# Altium PCB SolderingStation - Using Mux for PUP.PcbDoc (part 1 of 2)
Units mm, origin at the board's own origin, x right, y up, seen from the top; angles counter-clockwise.
Board outline 138.15 x 60.81 mm, 2 copper layers (Top Layer, Bottom Layer), stack 1.671 mm thick; 201 components, 119 nets, 586 pads, 492 vias.
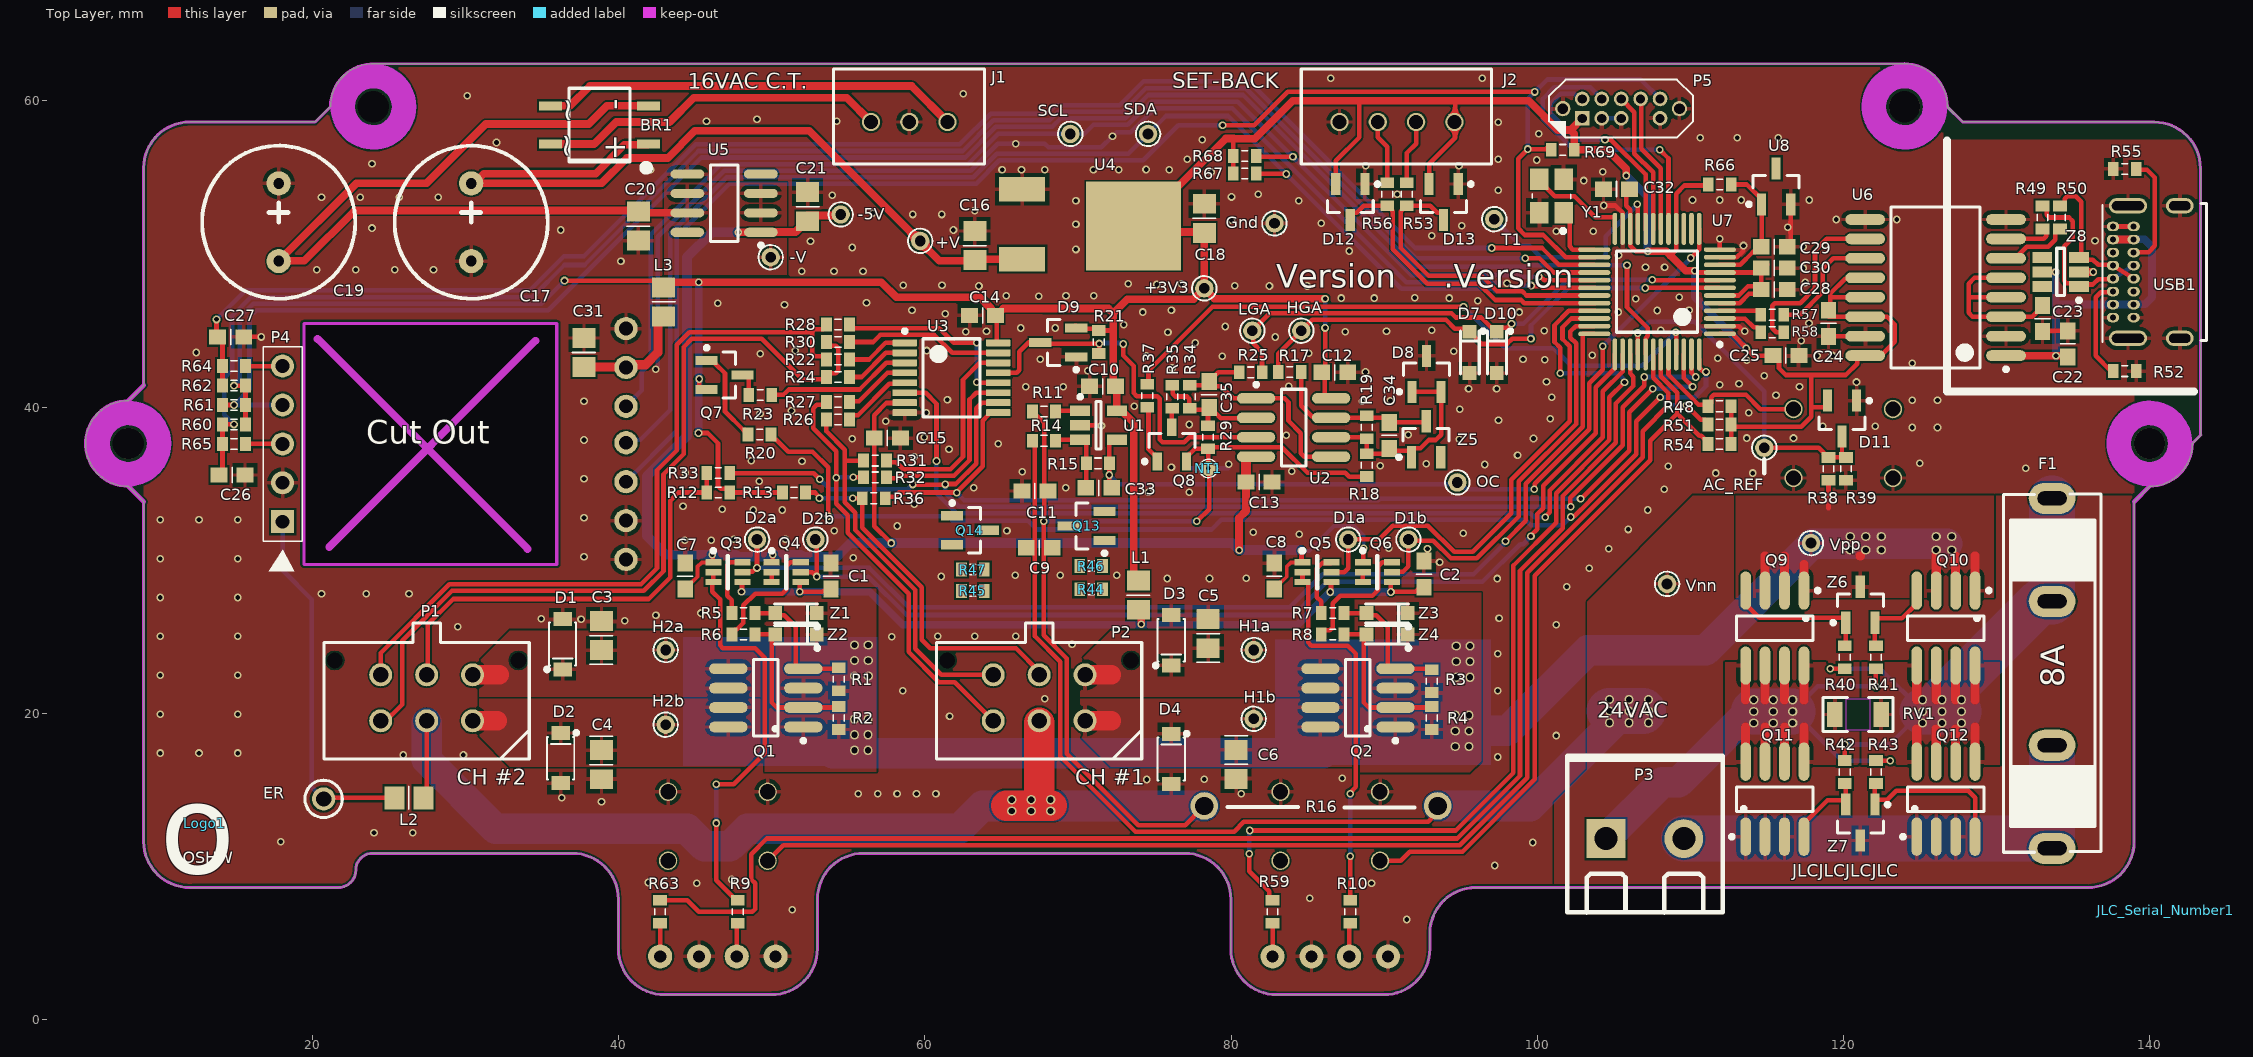
[diagram p0: Top Layer view]
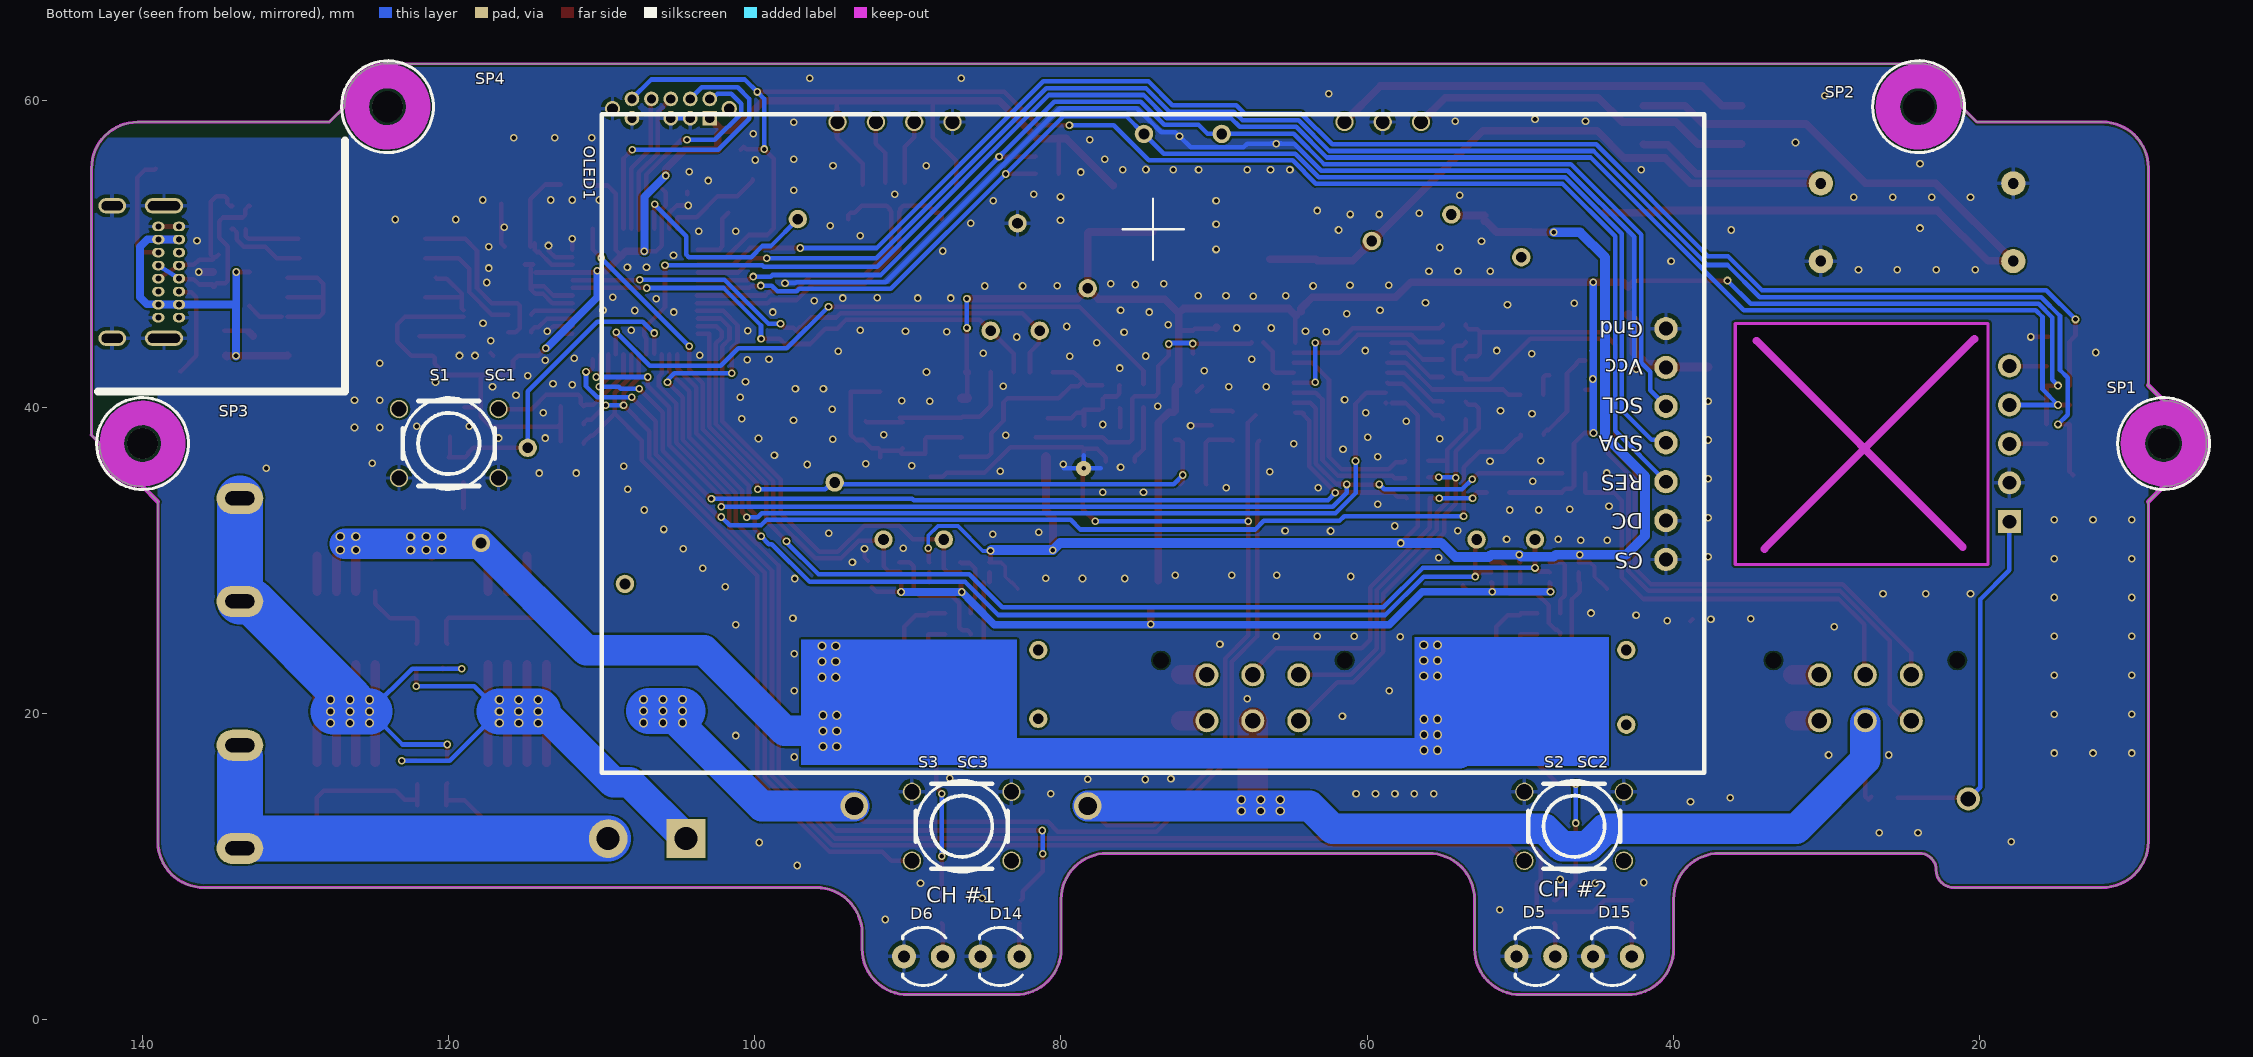
[diagram p1: Bottom Layer view, seen from below]
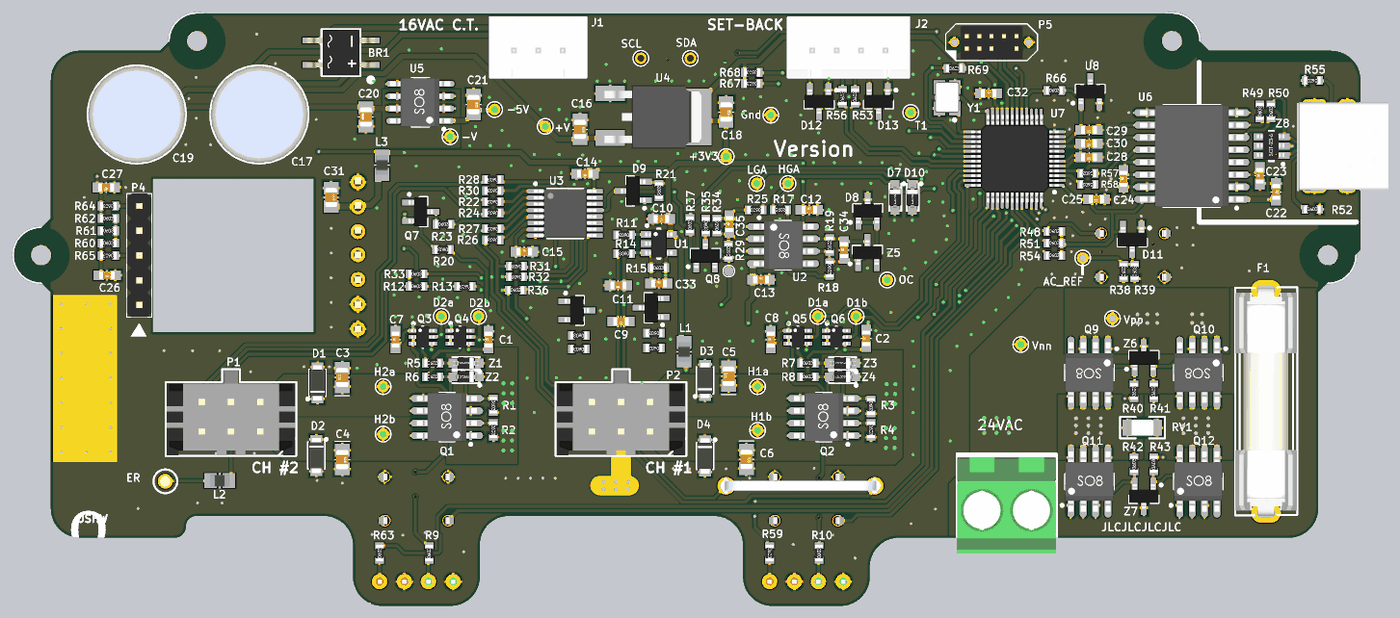
[diagram p3: 3D render of the assembled board from above, using the file's embedded part models]
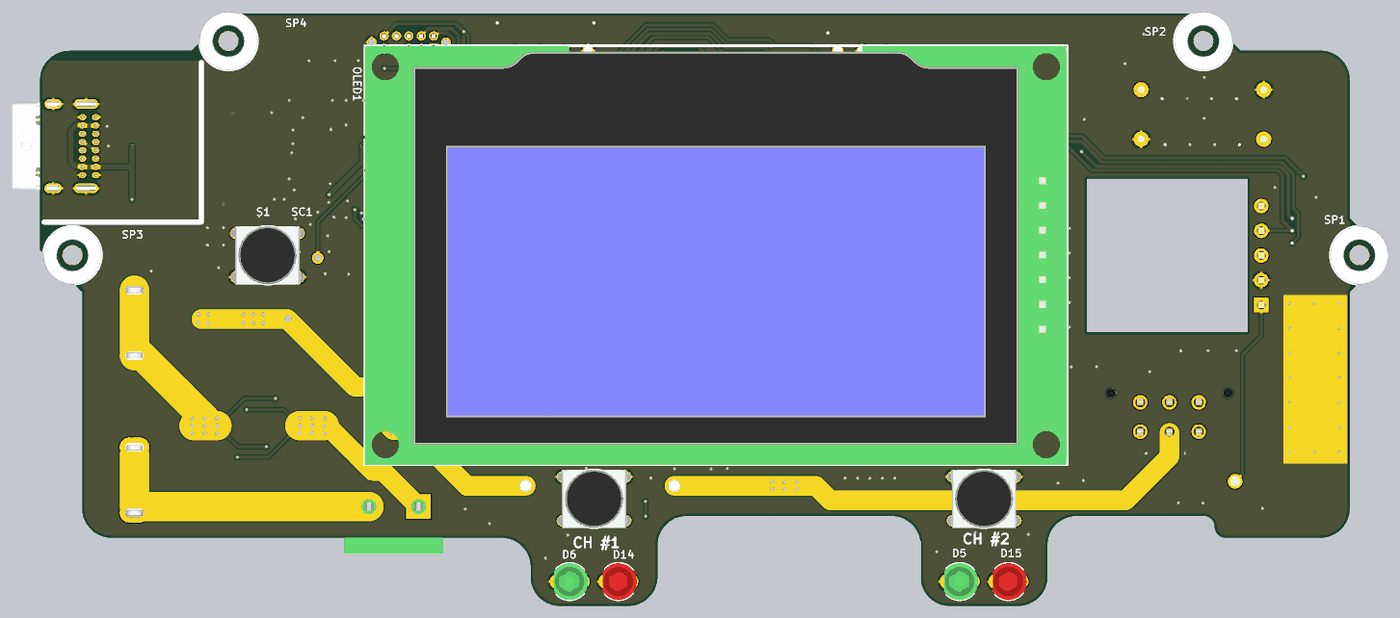
[diagram p4: 3D render of the assembled board from below, using the file's embedded part models]

## Layer stack, top to bottom
Top Solder: solder mask 0.0102, Solder Resist, Dk 3.5
Top Layer: signal copper 0.0356
Dielectric 1: dielectric 1.6, FR-4, Dk 4.8
Bottom Layer: signal copper 0.0356
Bottom Solder: solder mask 0.0102, Solder Resist, Dk 3.5

## Board outline
11.976,8.617 21.69,8.617 ccw(c21.69,9.755) 22.827,9.755 cw(c23.927,9.755) 23.927,10.855 23.927,10.852 36.976,10.852 cw(c36.976,7.852) 39.976,7.852 39.976,4.617 ccw(c42.976,4.617) 42.976,1.617 49.976,1.617 ccw(c49.976,4.617) 52.976,4.617 52.976,7.852 cw(c55.976,7.852) 55.976,10.852 76.976,10.852 cw(c76.976,7.852) 79.976,7.852 79.976,4.617 ccw(c82.976,4.617) 82.976,1.617 89.976,1.617 ccw(c89.976,4.617) 92.976,4.617 92.976,5.617 cw(c95.976,5.617) 95.976,8.617 135.976,8.617 ccw(c135.976,11.617) 138.976,11.617 138.976,33.817 139.976,34.817 ccw(c139.976,37.617) 142.776,37.617 143.33,38.172 143.315,38.172 143.315,55.604 143.305,55.604 ccw(c140.305,55.604) 140.305,58.604 140.305,58.617 127.776,58.617 126.776,59.617 ccw(c123.976,59.617) 123.976,62.417 123.976,62.432 24.049,62.416 ccw(c23.976,59.617) 21.176,59.617 20.176,58.617 11.976,58.617 ccw(c11.976,55.617) 8.976,55.617 8.976,41.417 7.976,40.417 ccw(c7.976,37.617) 7.976,34.817 8.976,33.817 8.976,11.617 ccw(c11.976,11.617)
cut-out: 19.443,29.719 35.953,29.719 35.953,45.467 19.443,45.467

## Design rules (kind name [scope] priority, off if disabled: settings)
Clearance [All] p1: gap=0.127 ignorepadtopadclearanceinfootprint=FALSE
DiffPairsRouting [All] p1: maxlimit=0.254 minlimit=0.254 mostfreqgap=0.254 toplayer_minwidth=0.254 toplayer_maxwidth=0.381 toplayer_prefwidth=0.381 bottomlayer_minwidth=0.254 bottomlayer_maxwidth=0.381 bottomlayer_prefwidth=0.381 maxuncoupledlength=12.7
HoleSize [All] p1: absolutevalues=TRUE maxlimit=3.1 minlimit=0.025 maxpercent=80.000 minpercent=20.000
MinimumSolderMaskSliver [All] p1 off: minsoldermaskwidth=0.254
PolygonConnect PolygonConnect_Via [IsPolygon vs IsVia] p1: connectstyle=Direct reliefconductorwidth=0.254 reliefentries=4 polygonreliefangle="90 Angle" airgapwidth=0.254
PolygonConnect [All] p2: connectstyle=Relief reliefconductorwidth=0.254 reliefentries=4 polygonreliefangle="90 Angle" airgapwidth=0.254
RoomDefinition SolderingStation_Control [InComponentClass('SolderingStation_Control')] p1: confinementstyle=ConfineIn formatcopy=TRUE lockcomponents=FALSE outline 3.734,0 154.203,0 154.203,64.16 3.734,64.16
RoomDefinition SolderingStation_Power [InComponentClass('SolderingStation_Power')] p2: confinementstyle=ConfineIn formatcopy=TRUE lockcomponents=FALSE outline 3.886,0 154.203,0 154.203,63.703 3.886,63.703
RoomDefinition SolderingStation_Processor [InComponentClass('SolderingStation_Processor')] p3: confinementstyle=ConfineIn formatcopy=TRUE lockcomponents=FALSE outline 3.886,0 154.356,0 154.356,63.576 3.886,63.576
RoutingVias [All] p1: holewidth=0.3 width=0.5 viastyle="Through Hole" minholewidth=0 minwidth=0.5 maxholewidth=0.711 maxwidth=1.27
SilkToSilkClearance [All] p1 off: silktosilkclearance=0.254
SilkToSolderMaskClearance [IsPad] p1 off: minsilkscreentomaskgap=0.254 clearancetoexposedcopper=TRUE
SolderMaskExpansion SolderMaskExpansion_Via [IsVia] p1: expansion=0.102 istentingtop=TRUE
SolderMaskExpansion [All] p2: expansion=0.102 istentingtop=FALSE
Width [All] p1: maxlimit=4 minlimit=0.254 preferedwidth=0.254
25 further rules are at their usual default settings.

## Classes and differential pairs
component class SolderingStation_Power: +3V3 +V -5V -V AC_REF BR1 C16 C17 C18 C19 C20 C21 D11 F1 J1 P3 Q9 Q10 Q11 Q12 Q13 Q14 R38 R39 R40 R41 R42 R43 R44 R45 R46 R47 RV1 SP1 SP2 SP3 SP4 U4 U5 Vnn Vpp Z6 Z7
component class SolderingStation_Processor: C22 C23 C24 C25 C26 C27 C28 C29 C30 C31 C32 D12 D13 D14 D15 Gnd J2 JLC_Serial_Number1 L3 Logo1 OLED1 P4 P5 R48 R49 R50 R51 R52 R53 R54 R55 R56 R57 R58 R59 R60 R61 R62 R63 R64 R65 R66 R67 R68 R69 S1 S2 S3 SC1 SC2 SC3 SCL SDA T1 U6 U7 U8 USB1 Y1 Z8
component class SolderingStation_Control: C1 C2 C3 C4 C5 C6 C7 C8 C9 C10 C11 C12 C13 C14 C15 C33 C34 C35 D1 D1a D1b D2 D2a D2b D3 D4 D5 D6 D7 D9 D10 ER H1a H1b H2a H2b HGA L1 L2 LGA NT1 OC P1 P2 Q1 Q2 Q3 Q4 Q5 Q6 Q7 Q8 R1 R2 R3 R4 R5 R6 R7 R8 R9 R10 R11 R12 R13 R14 R15 R16 R17 R18 R19 R20 R21 R22 R23 R24 R25 R26 R27 R28 R29 R30 R31 R32 R33 R34 R35 R36 R37 U1 U2 U3 Z1 Z2 Z3 Z4 Z5

## Components (designator, comment, footprint, x,y, rotation, side; value= is the part's Value field where it differs from the comment)
+3V3 "+3.3 volt" "PCBPIN - 0.7mm" 78.244,47.753 r90 top
+V "9 volt unregulated" "PCBPIN - 0.7mm" 59.69,50.851 r90 top
-5V "-5 volt" "PCBPIN - 0.7mm" 54.495,52.579 r90 top
-V "-9 volt unregulated" "PCBPIN - 0.7mm" 49.923,49.785 r90 top
AC_REF "Vdd" "PCBPIN - 0.7mm" 114.82,37.339 r90 top
BR1 "MB1S" MB1S 38.747,58.421 r180 top
C1 "100nF" CCNP1608-0603 53.86,28.957 r90 top
C2 "100nF" CCNP1608-0603 92.595,29.084 r90 top
C3 "DNP" CC2012-0805 38.874,25.071 r90 top
C4 "DNP" CC2012-0805 38.874,16.638 r270 top
C5 "DNP" CC2012-0805 78.498,25.198 r90 top
C6 "DNP" CC2012-0805 80.326,16.664 r270 top
C7 "100nF" CCNP1608-0603 44.335,28.957 r90 top
C8 "100nF" CCNP1608-0603 82.816,28.957 r90 top
C9 "100nF" CCNP1608-0603 67.462,30.81 r180 top
C10 "100nF" CCNP1608-0603 71.603,41.351 r180 top
C11 "100nF" CCNP1608-0603 67.183,34.519 r180 top
C12 "100nF" CCNP1608-0603 86.766,42.266 r0 top
C13 "100nF" CCNP1608-0603 81.819,35.106 r0 top
C14 "100nF" CCNP1608-0603 63.766,45.975 r180 top
C15 "100nF" CCNP1608-0603 57.543,37.974 r0 top
C16 "100nF" CCNP2012-0805 63.258,50.547 r270 top
C17 "470uF/25V" RB5/10x13mm 30.365,52.071 r270 top
C18 "10uF" CCNP2012-0805 78.244,52.325 r270 top
C19 "270uF/25V" RB5/10x13mm 17.792,52.071 r270 top
C20 "2.2uF" CCNP2012-0805 41.287,51.817 r90 top
C21 "10uF" CCNP2012-0805 52.336,53.087 r270 top
C22 "100nF" CCNP1608-0603 134.644,44.123 r270 top
C23 "100nF" CCNP1608-0603 132.993,45.774 r90 top
C24 "100nF" CCNP1608-0603 119.011,45.467 r90 top
C25 "100nF" CCNP1608-0603 116.229,43.361 r180 top
C26 "1nF" CCNP1608-0603 14.744,35.561 r180 top
C27 "1nF" CCNP1608-0603 14.656,44.578 r180 top
C28 "2.2uF" CCNP1608-0603 115.467,47.679 r180 top
C29 "100nF" CCNP1608-0603 115.467,50.473 r180 top
C30 "100nF" CCNP1608-0603 115.467,49.076 r180 top
C31 "10uF" CCNP2012-0805 37.731,43.562 r270 top
C32 "100nF" CCNP1608-0603 105.168,54.23 r0 top
C33 "100pF" CCNP1608-0603 71.349,34.722 r0 top
C34 "100pF" CCNP1608-0603 90.322,38.151 r90 top
C35 "100pF" CCNP1608-0603 78.562,40.818 r90 top
D1 "SM4007PL" SOD-123FL 36.334,24.512 r90 top
D1a "Drive1" "PCBPIN - 0.7mm" 87.642,31.345 r0 top
D1b "Drive2" "PCBPIN - 0.7mm" 91.579,31.345 r90 top
D2 "SM4007PL" SOD-123FL 36.207,17.07 r270 top
D2a "Drive2" "PCBPIN - 0.7mm" 49.034,31.345 r0 top
D2b "Drive2" "PCBPIN - 0.7mm" 52.844,31.345 r90 top
D3 "SM4007PL" SOD-123FL 76.085,24.766 r90 top
D4 "SM4007PL" SOD-123FL 76.085,17.019 r270 top
D5 "LED" "LED3MM-GREEN - 10MM PROUD" 48.976,4.117 r0 bottom locked
D6 "LED" "LED3MM-GREEN - 10MM PROUD" 88.976,4.117 r0 bottom locked
D7 "1N4148WS" SOD-323 95.566,43.562 r270 top
D8 "BAV199LT1G" SOT23_M 92.761,42.164 r270 top
D9 "BAV199LT1G" SOT23_M 68.707,44.221 r0 top
D10 "1N4148WS" SOD-323 97.344,43.562 r270 top
D11 "BAV199LT1G" SOT23_M 119.9,39.244 r90 top
D12 "BAV199LT1G" SOT23_M 87.781,53.394 r90 top
D13 "BAV199LT1G" SOT23_M 93.877,53.394 r90 top
D14 "LED" "LED3MM-RED - 10MM PROUD" 83.976,4.117 r0 bottom locked
D15 "LED" "LED3MM-RED - 10MM PROUD" 43.976,4.117 r0 bottom locked
ER "Gnd" "PCBPIN - 1mm" 20.725,14.405 r0 top
F1 "Bell FC-211-22" FUSE_CLIP_5x20 133.616,22.607 r90 top value="10 A"
Gnd "Gnd" "PCBPIN - 0.7mm" 82.828,51.997 r90 top
H1a "Heater1" "PCBPIN - 0.7mm" 81.469,24.131 r0 top
H1b "Heater2" "PCBPIN - 0.7mm" 81.469,19.636 r90 top
H2a "Heater2" "PCBPIN - 0.7mm" 43.065,24.131 r0 top
H2b "Heater2" "PCBPIN - 0.7mm" 43.065,19.254 r90 top
HGA "TC1" "PCBPIN - 0.7mm" 84.584,44.985 r0 top
J1 "JST XH Connector, 3-Pin" JST-B3B-XH-AX 58.976,58.617 r180 top
J2 "JST XH Connector, 4-Pin" jst-b4b-xh-ax 90.829,58.617 r180 top locked
JLC_Serial_Number1 "JLC_Serial_Number" JLC_Serial_Number 141.032,7.141 r90 top
L1 "Ferrite Bead" FB2012-0805 73.939,27.711 r270 top
L2 "Ferrite Bead" FB2012-0805 26.301,14.479 r0 top
L3 "Ferrite Bead" FB2012-0805 42.938,46.864 r270 top
LGA "NTC1" "PCBPIN - 0.7mm" 81.384,44.985 r0 top
Logo1 "OSHW Logo" OSHW 12.966,12.828 r0 top
NT1 "NetTieVia" NETTIEVIA 78.511,35.992 r90 top net-tie
OC "Overcurrent" "PCBPIN - 0.7mm" 94.767,35.077 r0 top
OLED1 "OLED_Display" "OLED_Display_128x64_2.4inch - no mounting holes" 73.976,37.617 r0 bottom locked
P1 "MOLEX-43045-0612" MOLEX-43045-0612 27.456,21.009 r0 top locked
P2 "MOLEX-43045-0612" MOLEX-43045-0612 67.461,21.009 r0 top locked
P3 "Terminal2" MOLEX-39544-3002 104.482,11.812 r270 top
P4 "Header, 5-Pin" HDR1X5S 18.046,32.513 r90 top locked
P5 "SWD Connector 2x5-Pin" SWD-2x5-Jig-Header 102.932,58.855 r0 top
Q1 "DMP4025LSD-13" SO-8_M 49.607,21.009 r90 top
Q2 "DMP4025LSD-13" SO-8_M 88.277,21.009 r90 top locked
Q3 "PUMD2,115" SOT363-6M 47.129,29.211 r0 top
Q4 "PUMD2,115" SOT363-6M 50.939,29.211 r0 top
Q5 "PUMD2,115" SOT363-6M 85.61,29.211 r0 top
Q6 "PUMD2,115" SOT363-6M 89.547,29.211 r0 top
Q7 "BSS84" SOT23_M 46.914,42.088 r180 top
Q8 "BSH103" SOT23_N 76.124,37.567 r270 top
Q9 "FDS4675" SO-8_M 115.505,25.565 r180 top
Q10 "FDS4675" SO-8_M 126.681,25.565 r180 top
Q11 "FDS4672" SO-8_M 115.505,14.389 r0 top
Q12 "FDS4672" SO-8_M 126.681,14.389 r0 top
Q13 "DNP" SOT23_M 70.561,32.233 r0 top
Q14 "DNP" SOT23_M 62.941,31.953 r180 top
R1 "22K" CR1608-0603_N 54.368,22.226 r270 top
R2 "22K" CR1608-0603_N 54.368,19.686 r270 top
R3 "22K" CR1608-0603_N 93.103,22.099 r270 top
R4 "22K" CR1608-0603_N 93.103,19.686 r270 top
R5 "4k7" CR1608-0603_N 48.145,26.544 r0 top
R6 "4k7" CR1608-0603_N 48.145,25.147 r0 top
R7 "4k7" CR1608-0603_N 86.626,26.544 r0 top
R8 "4k7" CR1608-0603_N 86.626,25.147 r0 top
R9 "470R" CR1608-0603_N 47.776,7.039 r90 top
R10 "470R" CR1608-0603_N 87.781,7.039 r90 top
R11 "10K" CR1608-0603_N 67.779,39.702 r180 top
R12 "10K 1%" CR1608-0603_N 46.494,34.418 r0 top
R13 "10K 1%" CR1608-0603_N 51.447,34.418 r180 top
R14 "10K 1%" CR1608-0603_N 67.779,37.797 r180 top
R15 "51K 1%" CR1608-0603_N 71.298,36.322 r0 top
R16 "OAR3-R050FI" OAR3-R050FI 85.864,13.946 r180 top
R17 "0R" CR1608-0603_N 83.82,42.291 r0 top
R18 "1K 1%" CR1608-0603_N 88.861,36.208 r270 top
R19 "56K 1%" CR1608-0603_N 88.861,38.674 r90 top
R20 "1K" CR1608-0603_N 49.2,38.202 r180 top
R21 "1M" CR1608-0603_N 71.349,44.247 r90 top
R22 "10K" CR1608-0603_N 54.317,43.105 r180 top
R23 "10K" CR1608-0603_N 49.251,40.792 r0 top
R24 "10K" CR1608-0603_N 54.317,41.962 r180 top
R25 "0R" CR1608-0603_N 81.28,42.266 r180 top
R26 "10K" CR1608-0603_N 54.317,39.194 r180 top
R27 "10K" CR1608-0603_N 54.317,40.337 r180 top
R28 "10K" CR1608-0603_N 54.317,45.391 r180 top
R29 "10K 1%" CR1608-0603_N 78.484,38.027 r90 top
R30 "10K" CR1608-0603_N 54.317,44.248 r180 top
R31 "10K" CR1608-0603_N 56.744,36.5 r180 top
R32 "10K" CR1608-0603_N 56.744,35.408 r180 top
R33 "10K" CR1608-0603_N 46.494,35.688 r0 top
R34 "10K 1%" CR1608-0603_N 77.292,40.665 r90 top
R35 "5K1 1%" CR1608-0603_N 76.149,40.665 r270 top
R36 "10K" CR1608-0603_N 56.654,34.037 r0 top
R37 "1K" CR1608-0603_N 74.524,40.742 r90 top
R38 "15K" CR1608-0603_N 119.011,35.961 r90 top
R39 "4K3" CR1608-0603_N 120.154,35.961 r90 top
R40 "4K3" CR1608-0603_N 120.077,23.66 r90 top
R41 "4K3" CR1608-0603_N 122.109,23.66 r90 top
R42 "4K3" CR1608-0603_N 120.077,16.167 r90 top
R43 "4K3" CR1608-0603_N 122.109,16.167 r90 top
R44 "DNP" CR1608-0603_N 70.852,28.094 r180 top
R45 "DNP" CR1608-0603_N 63.131,27.992 r180 top
R46 "DNP" CR1608-0603_N 70.852,29.618 r180 top
R47 "DNP" CR1608-0603_N 63.131,29.389 r180 top
R48 "10K" CR1608-0603_N 111.899,40.057 r0 top
R49 "33R" CR1608-0603_N 132.993,52.378 r90 top value="33 ohm"
R50 "33R" CR1608-0603_N 134.136,52.378 r90 top value="33 ohm"
R51 "10K" CR1608-0603_N 111.899,38.863 r0 top
R52 "5k1" CR1608-0603_N 138.365,42.345 r0 top
R53 "1K" CR1608-0603_N 91.464,53.902 r90 top
R54 "10K" CR1608-0603_N 111.899,37.593 r0 top
R55 "5k1" CR1608-0603_N 138.365,55.553 r180 top
R56 "1K" CR1608-0603_N 90.194,53.902 r90 top
R57 "33R" CR1608-0603_N 115.34,46.028 r180 top value="33 ohm"
R58 "33R" CR1608-0603_N 115.34,44.885 r180 top value="33 ohm"
R59 "470R" CR1608-0603_N 82.701,7.039 r270 top
R60 "10K" CR1608-0603_N 14.871,38.863 r0 top
R61 "10K" CR1608-0603_N 14.871,40.133 r0 top
R62 "10K" CR1608-0603_N 14.871,41.403 r0 top
R63 "470R" CR1608-0603_N 42.696,7.039 r90 top
R64 "33R" CR1608-0603_N 14.871,42.673 r180 top value="33 ohm"
R65 "33R" CR1608-0603_N 14.871,37.593 r180 top value="33 ohm"
R66 "1K" CR1608-0603_N 111.911,54.537 r0 top
R67 "4k7" CR1608-0603_N 80.885,55.246 r180 top
R68 "4k7" CR1608-0603_N 80.885,56.389 r180 top
R69 "10K" CR1608-0603_N 101.662,56.798 r0 top
RV1 "V33MLA1206NHAUTO" VR3216-1206 120.94,19.917 r180 top
S1 "SW_PB-B3F1052" SW_MIN_PB-B3F1052 119.976,37.617 r180 bottom locked
S2 "SW_PB-B3F1052" SW_MIN_PB-B3F1052 46.476,12.617 r0 bottom locked
S3 "SW_PB-B3F1052" SW_MIN_PB-B3F1052 86.476,12.617 r0 bottom locked
SC1 "B32-2010" SW-CAP-B32-2010 119.976,37.617 r180 bottom locked
SC2 "B32-2010" SW-CAP-B32-2010 46.476,12.617 r180 bottom locked
SC3 "B32-2010" SW-CAP-B32-2010 86.476,12.617 r180 bottom locked
SCL "SCL" "PCBPIN - 0.7mm" 69.493,57.839 r90 top
SDA "SDA" "PCBPIN - 0.7mm" 74.573,57.839 r90 top
SP1 "6MM Spacer" "SPACER-2MM DIA X 6MM" 7.976,37.617 r180 bottom locked
SP2 "6MM Spacer" "SPACER-2MM DIA X 6MM" 23.976,59.617 r180 bottom locked
SP3 "6MM Spacer" "SPACER-2MM DIA X 6MM" 139.976,37.617 r180 bottom locked
SP4 "6MM Spacer" "SPACER-2MM DIA X 6MM" 123.976,59.617 r180 bottom locked
T1 "PTA4" "PCBPIN - 0.7mm" 97.18,52.273 r0 top
U1 "MCP6001UT-I/OT" SOT23-5_M 71.335,38.813 r180 top
U2 "TLV2186" SOIC127P600-8M 84.08,38.662 r0 top
U3 "74HC4052PW-Q100,11" TSSOP16_M 61.734,41.911 r0 top
U4 "NCP1117DT33T5G" TO-252 69.989,51.944 r180 top
U5 "MC79L05ACD" SOIC127P600-8N 46.887,53.316 r90 top
U6 "ADuM4160BRIZ" SOIC127P1030-16M 126.008,47.806 r180 top
U7 "MK20DX128VLF5" TSQFP50P900X900-48M 107.816,47.535 r90 top locked
U8 "LM4040BIM3-3.0/NOPB" SOT23_M 115.594,54.41 r270 top
USB1 "USB4085-GF-A" USB4085-GF-A 139.776,48.817 r180 top locked
Vnn "Power Ground" "PCBPIN - 0.7mm" 108.47,28.449 r90 top
Vpp "Power +V" "PCBPIN - 0.7mm" 117.868,31.116 r90 top
Y1 "16 MHz" Crystal_SMD_3.2x2.5 100.916,53.785 r90 top
Z1 "BZT52C12S-7-F" SOD-323 51.574,26.544 r180 top
Z2 "BZT52C12S-7-F" SOD-323 51.574,25.147 r180 top
Z3 "BZT52C12S-7-F" SOD-323 90.182,26.544 r180 top
Z4 "BZT52C12S-7-F" SOD-323 90.182,25.147 r180 top
Z5 "BZX84A3V9" SOT23_M 92.735,37.897 r270 top
Z6 "DZ23C12" SOT23_M 121.093,27.089 r270 top
Z7 "AZ23C7V5" SOT23_M 121.093,12.865 r90 top
Z8 "CM1293A-04SO" "SOT457_M - 180" 134.174,48.822 r0 top
